# Altium PCB EPS.PcbDoc (part 2 of 10) (continued)
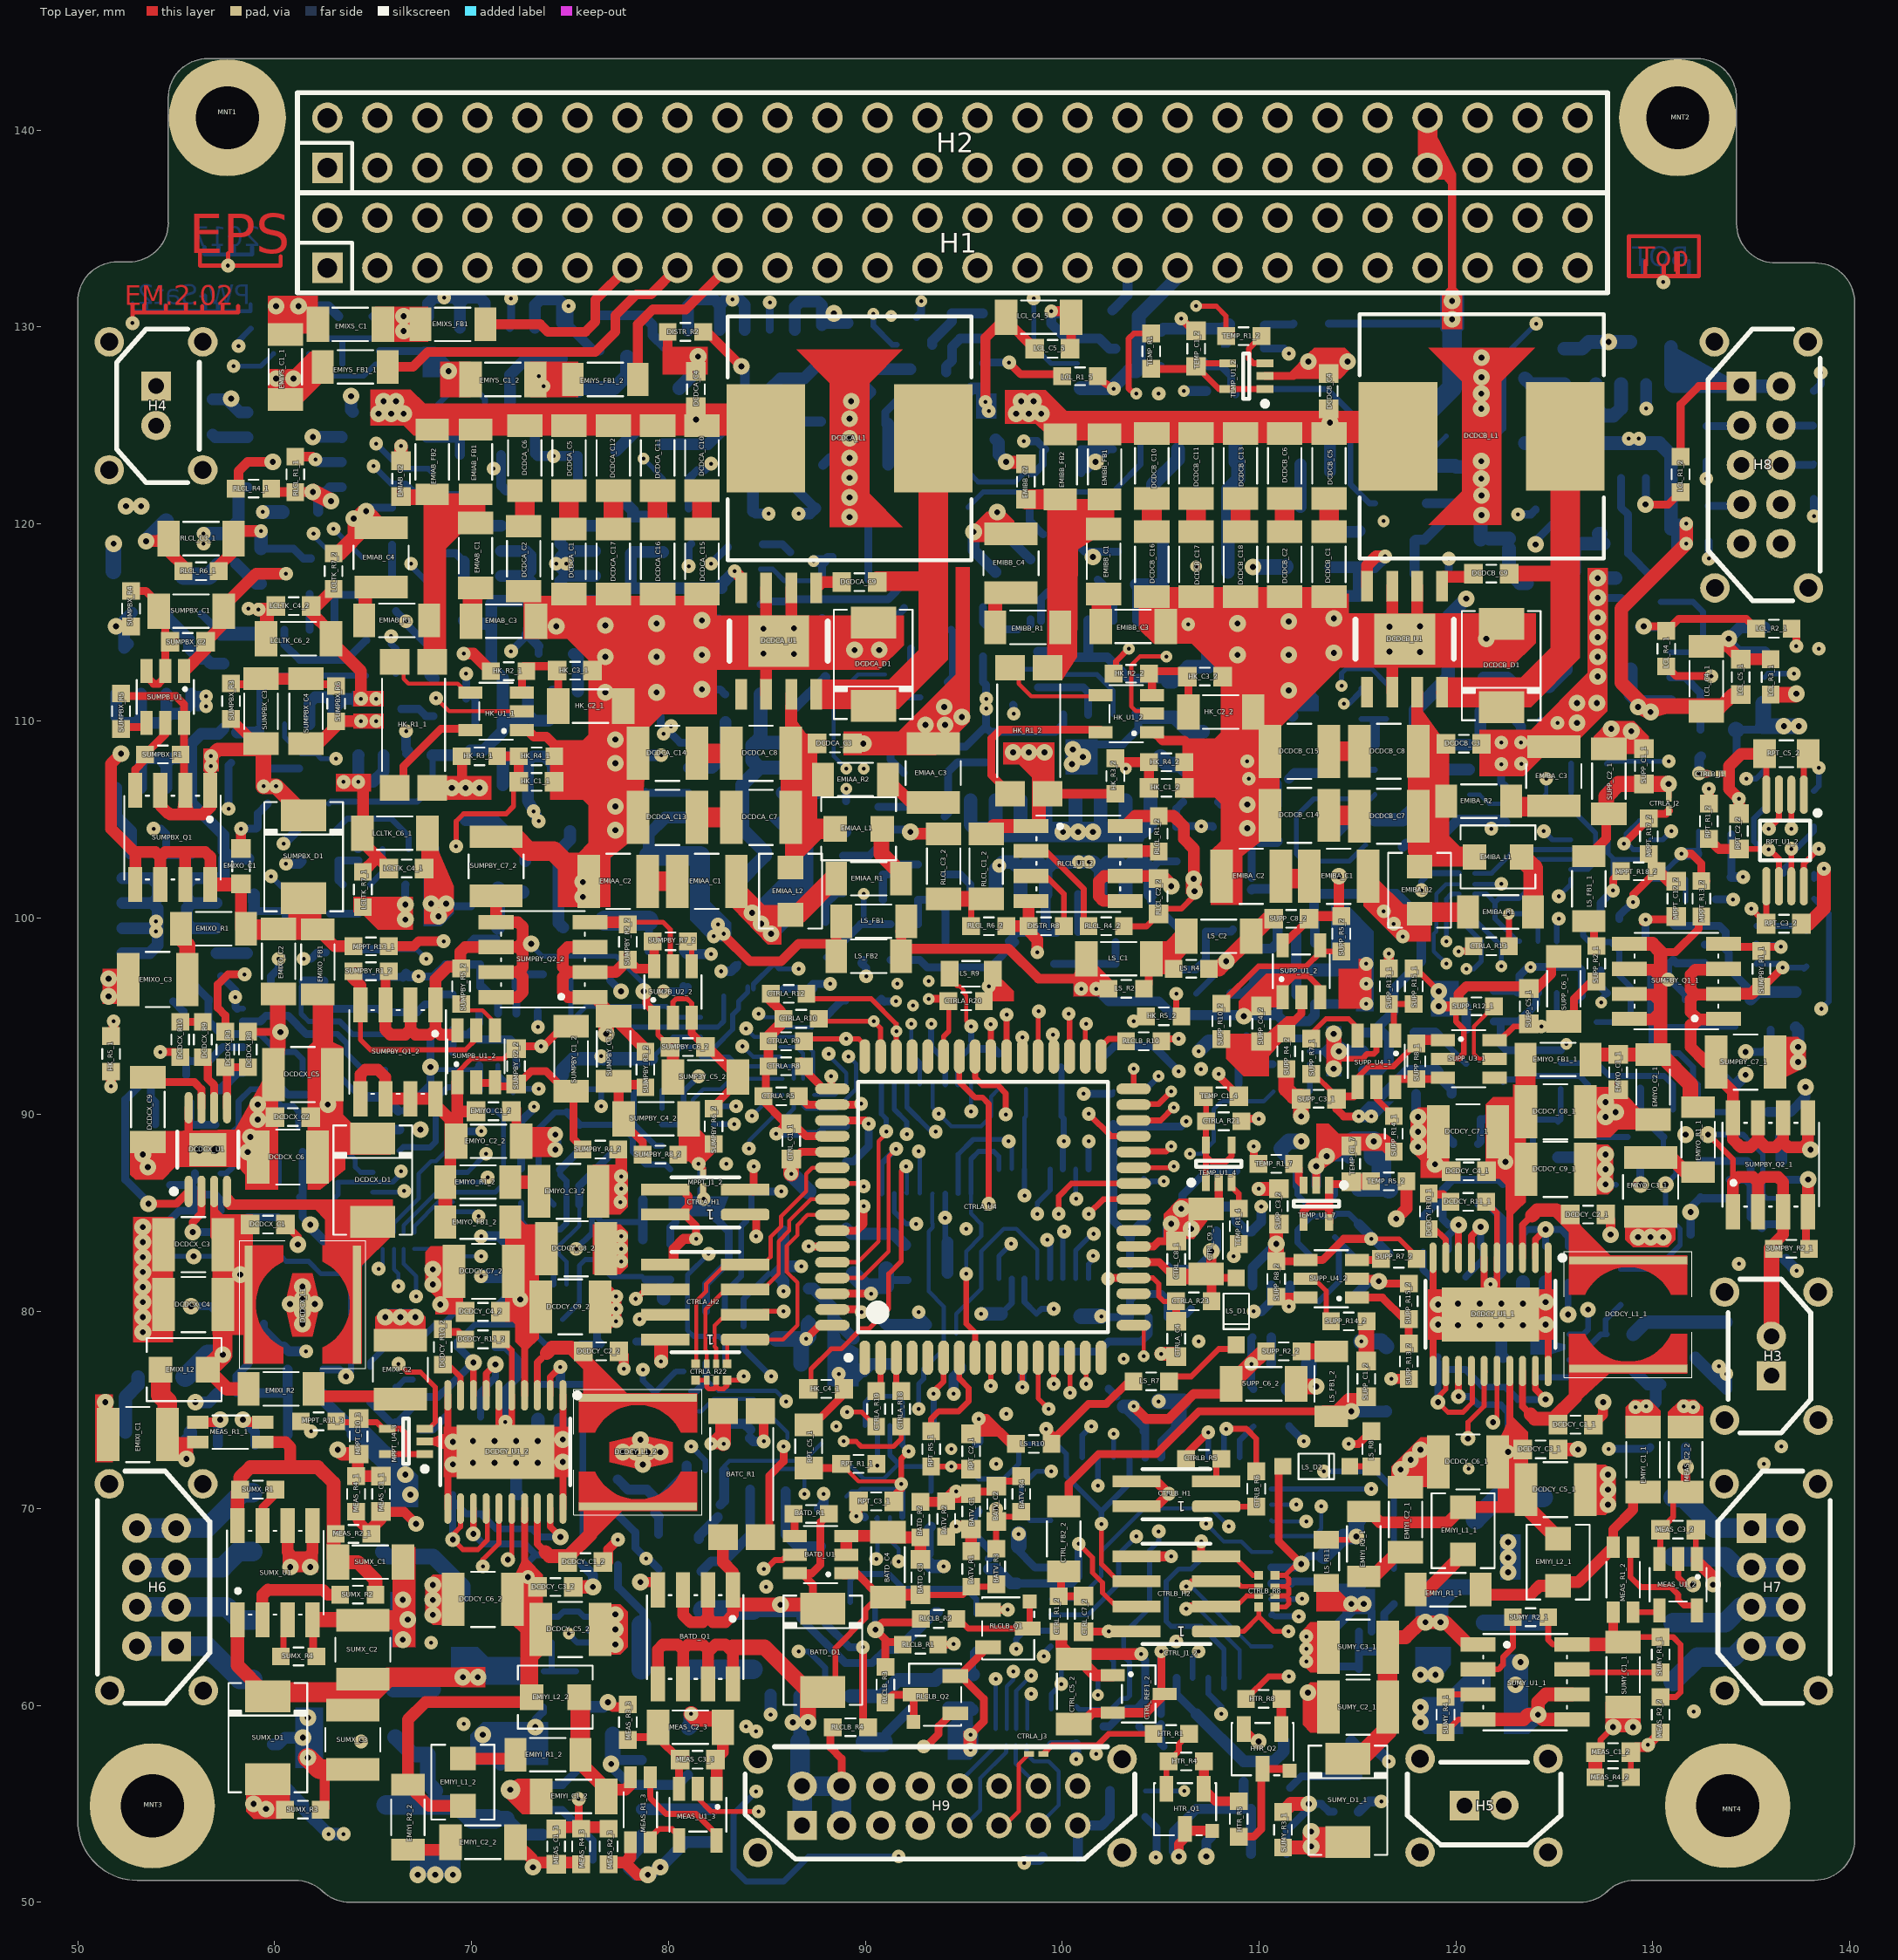
[diagram p0: Top Layer view]
## Components (designator, comment, footprint, x,y, rotation, side; value= is the part's Value field where it differs from the comment) (continued)
LCLTK_C2_2 "1u/25V" SMD_Capacitor_1206 57.531,110.998 r90 bottom (schematic designator LCLTK_C2)
LCLTK_C3_1 "10u/16V" SMD_Capacitor_1206 73.025,99.568 r0 bottom (schematic designator LCLTK_C3)
LCLTK_C3_2 "10u/16V" SMD_Capacitor_1206 53.467,117.602 r180 bottom (schematic designator LCLTK_C3)
LCLTK_C4_1 "100n/50V" SMD_Capacitor_0603 66.7,102.5 r180 top (schematic designator LCLTK_C4)
LCLTK_C4_2 "100n/50V" SMD_Capacitor_0603 60.96,115.824 r0 top (schematic designator LCLTK_C4)
LCLTK_C5_1 "1u/25V" SMD_Capacitor_1206 73.35,104.4 r0 bottom (schematic designator LCLTK_C5)
LCLTK_C5_2 "1u/25V" SMD_Capacitor_1206 54,113.7 r180 bottom (schematic designator LCLTK_C5)
LCLTK_C6_1 "1u/25V" SMD_Capacitor_1206 66.1,104.3 r180 top (schematic designator LCLTK_C6)
LCLTK_C6_2 "1u/25V" SMD_Capacitor_1206 61.214,114.173 r0 top (schematic designator LCLTK_C6)
LCLTK_Q1_1 "IRF7416" SOIC-8-N_SSSGDDDD 73.9,118 r0 bottom (schematic designator LCLTK_Q1)
LCLTK_Q1_2 "IRF7416" SOIC-8-N_SSSGDDDD 54.65,100.1 r180 bottom (schematic designator LCLTK_Q1)
LCLTK_Q2_1 "2N2222ACSM" LCC1-4_BEC 65.659,119.888 r90 bottom (schematic designator LCLTK_Q2)
LCLTK_Q2_2 "2N2222ACSM" LCC1-4_BEC 62.904,99.187 r270 bottom (schematic designator LCLTK_Q2)
LCLTK_Q3_1 "IRF7416" SOIC-8-N_SSSGDDDD 73.5,109.1 r270 bottom (schematic designator LCLTK_Q3)
LCLTK_Q3_2 "IRF7416" SOIC-8-N_SSSGDDDD 53.85,109 r90 bottom (schematic designator LCLTK_Q3)
LCLTK_Q4_1 "2N2222ACSM" LCC1-4_BEC 67.775,111.2 r90 bottom (schematic designator LCLTK_Q4)
LCLTK_Q4_2 "2N2222ACSM" LCC1-4_BEC 60.198,106.68 r270 bottom (schematic designator LCLTK_Q4)
LCLTK_R1_1 "10k/1%" SMD_Resistor_0603 69.596,115.951 r270 bottom (schematic designator LCLTK_R1)
LCLTK_R1_2 "10k/1%" SMD_Resistor_0603 58.801,102.108 r90 bottom (schematic designator LCLTK_R1)
LCLTK_R2_1 "220R/1%" SMD_Resistor_0603 69.6,119 r90 bottom (schematic designator LCLTK_R2)
LCLTK_R2_2 "220R/1%" SMD_Resistor_0603 58.928,99.187 r270 bottom (schematic designator LCLTK_R2)
LCLTK_R3_1 "10k/1%" SMD_Resistor_0603 67.056,116.84 r0 bottom (schematic designator LCLTK_R3)
LCLTK_R3_2 "10k/1%" SMD_Resistor_0603 64.135,99.314 r270 bottom (schematic designator LCLTK_R3)
LCLTK_R4_1 "220k/1%" SMD_Resistor_0603 62.611,105.029 r90 bottom (schematic designator LCLTK_R4)
LCLTK_R4_2 "220k/1%" SMD_Resistor_0603 64.65,113.2 r270 bottom (schematic designator LCLTK_R4)
LCLTK_R5_1 "100k" SMD_Resistor_0603 67.056,115.57 r0 bottom (schematic designator LCLTK_R5)
LCLTK_R5_2 "100k" SMD_Resistor_0603 65.494,99.276 r270 bottom (schematic designator LCLTK_R5)
LCLTK_R6_1 "100k" SMD_Resistor_0603 62.357,101.6 r0 bottom (schematic designator LCLTK_R6)
LCLTK_R6_2 "100k" SMD_Resistor_0603 62.992,117.221 r270 bottom (schematic designator LCLTK_R6)
LCLTK_R7_1 "51R" SMD_Resistor_0603 64.478,101.435 r90 top (schematic designator LCLTK_R7)
LCLTK_R7_2 "51R" SMD_Resistor_0603 62.992,117.602 r270 top (schematic designator LCLTK_R7)
LCLTK_R8_1 "220k/1%" SMD_Resistor_0603 65.748,101.689 r180 bottom (schematic designator LCLTK_R8)
LCLTK_R8_2 "220k/1%" SMD_Resistor_0603 61.595,117.221 r270 bottom (schematic designator LCLTK_R8)
LCLTK_R9_1 "10k/1%" SMD_Resistor_0603 71.9,114.7 r180 bottom (schematic designator LCLTK_R9)
LCLTK_R9_2 "10k/1%" SMD_Resistor_0603 56.515,103.251 r0 bottom (schematic designator LCLTK_R9)
LCLTK_R10_1 "220R/1%" SMD_Resistor_0603 74.422,113.411 r0 bottom (schematic designator LCLTK_R10)
LCLTK_R10_2 "220R/1%" SMD_Resistor_0603 53.594,103.251 r180 bottom (schematic designator LCLTK_R10)
LCLTK_R11_1 "10k/1%" SMD_Resistor_0603 66.421,111.633 r90 bottom (schematic designator LCLTK_R11)
LCLTK_R11_2 "10k/1%" SMD_Resistor_0603 61.341,106.426 r270 bottom (schematic designator LCLTK_R11)
LCLTK_R12_1 "100k" SMD_Resistor_0603 67.056,113.665 r180 bottom (schematic designator LCLTK_R12)
LCLTK_R12_2 "100k" SMD_Resistor_0603 60.071,104.521 r0 bottom (schematic designator LCLTK_R12)
LCLTK_R13_1 "1k" SMD_Resistor_0603 62.3,102.9 r180 bottom (schematic designator LCLTK_R13)
LCLTK_R13_2 "1k" SMD_Resistor_0603 64.45,117.4 r90 bottom (schematic designator LCLTK_R13)
LCLTK_R14_1 "1M" SMD_Resistor_0603 73.495,101.308 r180 bottom (schematic designator LCLTK_R14)
LCLTK_R14_2 "1M" SMD_Resistor_0603 59.309,117.856 r270 bottom (schematic designator LCLTK_R14)
LCLTK_R15_1 "1M" SMD_Resistor_0603 73.622,102.578 r180 bottom (schematic designator LCLTK_R15)
LCLTK_R15_2 "1M" SMD_Resistor_0603 53.65,115.5 r0 bottom (schematic designator LCLTK_R15)
LCLTK_R16_1 "1M" SMD_Resistor_0603 69.85,99.695 r90 bottom (schematic designator LCLTK_R16)
LCLTK_R16_2 "1M" SMD_Resistor_0603 56.261,116.459 r270 bottom (schematic designator LCLTK_R16)
LCLTK_U1_1 "FPF2701MX" SOIC-8-N 66.1,105.9 r90 bottom (schematic designator LCLTK_U1)
LCLTK_U1_2 "FPF2701MX" SOIC-8-N 61.15,112.2 r270 bottom (schematic designator LCLTK_U1)
LS_C1 "10u/16V" SMD_Capacitor_1206 102.87,97.917 r0 top
LS_C2 "10u/16V" SMD_Capacitor_1206 107.95,99.06 r0 top
LS_D1 "1N4148W" SOD-123 108.839,80.01 r90 top
LS_D2 "1N4148W" SOD-123 112.903,72.136 r180 top
LS_FB1 "120R/100MHz" SMD_FerriteBead_1206 90.424,99.822 r0 top
LS_FB1_1 "120R/100MHz" SMD_FerriteBead_1206 126.746,101.473 r90 top (schematic designator LS_FB1)
LS_FB1_2 "120R/100MHz" SMD_FerriteBead_1206 113.665,76.327 r270 top (schematic designator LS_FB1)
LS_FB2 "120R/100MHz" SMD_FerriteBead_1206 90.17,98.044 r0 top
LS_R2 "1M/1%" SMD_Resistor_0603 103.251,96.393 r0 top
LS_R4 "1M/1%" SMD_Resistor_0603 106.553,97.409 r0 top
LS_R7 "100R" SMD_Resistor_0603 104.521,76.454 r180 top
LS_R8 "100R" SMD_Resistor_0603 115.697,73.025 r270 top
LS_R9 "1k" SMD_Resistor_0805 95.377,97.155 r0 top
LS_R10 "10k" SMD_Resistor_0603 98.552,73.279 r0 top
LS_R11 "1k" SMD_Resistor_0805 113.411,67.31 r90 top
MEAS_C1_1 "100n/50V" SMD_Capacitor_0603 65.405,70.739 r90 top (schematic designator MEAS_C1)
MEAS_C1_2 "100n/50V" SMD_Capacitor_0603 127.978,57.62 r180 top (schematic designator MEAS_C1)
MEAS_C1_3 "100n/50V" SMD_Capacitor_0603 74.295,52.832 r270 top (schematic designator MEAS_C1)
MEAS_C2_1 "10u/16V" SMD_Capacitor_1206 62.319,73.749 r0 bottom (schematic designator MEAS_C2)
MEAS_C2_2 "10u/16V" SMD_Capacitor_1206 131.661,72.479 r90 top (schematic designator MEAS_C2)
MEAS_C2_3 "10u/16V" SMD_Capacitor_1206 81.115,58.89 r0 top (schematic designator MEAS_C2)
MEAS_C3_1 "100n/50V" SMD_Capacitor_0603 61.557,75.781 r0 bottom (schematic designator MEAS_C3)
MEAS_C3_2 "100n/50V" SMD_Capacitor_0603 131.28,68.923 r0 top (schematic designator MEAS_C3)
MEAS_C3_3 "100n/50V" SMD_Capacitor_0603 81.485,57.239 r0 top (schematic designator MEAS_C3)
MEAS_R1_1 "0.068R/1%" SMD_Resistor-Shunt_1206 57.747,73.876 r180 top (schematic designator MEAS_R1)
MEAS_R1_2 "0.068R/1%" SMD_Resistor-Shunt_1206 128.486,66.383 r90 top (schematic designator MEAS_R1)
MEAS_R1_3 "0.068R/1%" SMD_Resistor-Shunt_1206 78.575,54.699 r90 top (schematic designator MEAS_R1)
MEAS_R2_1 "4.7k/1%" SMD_Resistor_0603 64.008,68.707 r0 top (schematic designator MEAS_R2)
MEAS_R2_2 "4.7k/1%" SMD_Resistor_0603 130.391,59.525 r270 top (schematic designator MEAS_R2)
MEAS_R2_3 "4.7k/1%" SMD_Resistor_0603 76.962,52.832 r90 top (schematic designator MEAS_R2)
MEAS_R3_1 "3.3k/1%" SMD_Resistor_0603 61.595,76.962 r180 bottom (schematic designator MEAS_R3)
MEAS_R3_2 "3.3k/1%" SMD_Resistor_0603 130.772,73.114 r0 bottom (schematic designator MEAS_R3)
MEAS_R3_3 "3.3k/1%" SMD_Resistor_0603 77.94,59.144 r270 top (schematic designator MEAS_R3)
MEAS_R4_1 "1k/1%" SMD_Resistor_0603 64.135,70.739 r90 top (schematic designator MEAS_R4)
MEAS_R4_2 "1k/1%" SMD_Resistor_0603 127.978,56.35 r180 top (schematic designator MEAS_R4)
MEAS_R4_3 "1k/1%" SMD_Resistor_0603 75.565,52.832 r270 top (schematic designator MEAS_R4)
MEAS_U1_1 "MAX4372F" SOT23-5 58.062,74.551 r270 bottom (schematic designator MEAS_U1)
MEAS_U1_2 "MAX4372F" SOT23-5 131.28,66.129 r270 top (schematic designator MEAS_U1)
MEAS_U1_3 "MAX4372F" SOT23-5 81.496,54.445 r270 top (schematic designator MEAS_U1)
MNT1 "Mounting Hole" PC-104_PcbMntHole_M3#1 57.596,140.628 r0 top locked
MNT2 "Mounting Hole" PC-104_PcbMntHole_M3#1 131.257,140.635 r0 top locked
MNT3 "Mounting Hole" PC-104_PcbMntHole_M3#2 53.786,54.899 r0 top locked
MNT4 "Mounting Hole" PC-104_PcbMntHole_M3#2 133.798,54.906 r0 top locked
MPPT_C1_1 "Cap" SMD_Capacitor_0603 65.659,93.091 r270 bottom value=10n/25V (schematic designator MPPT_C1)
MPPT_C1_2 "Cap" SMD_Capacitor_0603 131.026,92.418 r270 bottom value=10n/25V (schematic designator MPPT_C1)
MPPT_C1_3 "Cap" SMD_Capacitor_0603 76.289,88.227 r0 bottom value=10n/25V (schematic designator MPPT_C1)
MPPT_C2_1 "Cap" SMD_Capacitor_0603 55.753,95.758 r180 bottom value=NC (schematic designator MPPT_C2)
MPPT_C2_2 "Cap" SMD_Capacitor_0603 126.327,88.735 r270 bottom value=NC (schematic designator MPPT_C2)
MPPT_C2_3 "Cap" SMD_Capacitor_0603 79.756,79.502 r270 bottom value=NC (schematic designator MPPT_C2)
MPPT_C3_1 "100n/50V" SMD_Capacitor_0603 65.278,90.043 r90 bottom (schematic designator MPPT_C3)
MPPT_C3_2 "100n/50V" SMD_Capacitor_0603 130.264,87.592 r0 bottom (schematic designator MPPT_C3)
MPPT_C3_3 "100n/50V" SMD_Capacitor_0603 79.502,84.582 r180 bottom (schematic designator MPPT_C3)
MPPT_C4_1 "Cap" SMD_Capacitor_0603 56.642,93.726 r270 bottom value=1n/25V (schematic designator MPPT_C4)
MPPT_C4_2 "Cap" SMD_Capacitor_0603 123.66,90.767 r270 bottom value=1n/25V (schematic designator MPPT_C4)
MPPT_C4_3 "Cap" SMD_Capacitor_0603 75.4,79.591 r0 bottom value=1n/25V (schematic designator MPPT_C4)
MPPT_C5_1 "100n/50V" SMD_Capacitor_0603 64.186,90.043 r270 bottom (schematic designator MPPT_C5)
MPPT_C5_2 "100n/50V" SMD_Capacitor_0603 121.92,95.377 r270 bottom (schematic designator MPPT_C5)
MPPT_C5_3 "100n/50V" SMD_Capacitor_0603 71.628,82.804 r270 bottom (schematic designator MPPT_C5)
MPPT_C6_1 "Cap" SMD_Capacitor_0603 65.405,96.139 r270 bottom value=10n/25V (schematic designator MPPT_C6)
MPPT_C6_2 "Cap" SMD_Capacitor_0603 129.667,98.298 r270 bottom value=10n/25V (schematic designator MPPT_C6)
MPPT_C6_3 "Cap" SMD_Capacitor_0603 80.264,86.487 r90 bottom value=10n/25V (schematic designator MPPT_C6)
MPPT_C7_1 "Cap" SMD_Capacitor_0603 58.293,79.502 r0 bottom value=10n/25V (schematic designator MPPT_C7)
MPPT_C7_2 "Cap" SMD_Capacitor_0603 126.746,106.426 r180 bottom value=10n/25V (schematic designator MPPT_C7)
MPPT_C7_3 "Cap" SMD_Capacitor_0603 87.376,95.504 r270 bottom value=10n/25V (schematic designator MPPT_C7)
MPPT_C8_1 "100n/50V" SMD_Capacitor_0603 63.208,83.782 r270 bottom (schematic designator MPPT_C8)
MPPT_C8_2 "100n/50V" SMD_Capacitor_0603 128.74,105.245 r180 bottom (schematic designator MPPT_C8)
MPPT_C8_3 "100n/50V" SMD_Capacitor_0603 84.963,96.266 r0 bottom (schematic designator MPPT_C8)
MPPT_C9_1 "Cap" SMD_Capacitor_0603 62.103,88.24 r0 bottom value=10n/25V (schematic designator MPPT_C9)
MPPT_C9_2 "Cap" SMD_Capacitor_0603 132.842,101.981 r180 bottom value=10n/25V (schematic designator MPPT_C9)
MPPT_C9_3 "Cap" SMD_Capacitor_0603 75.057,93.853 r90 bottom value=10n/25V (schematic designator MPPT_C9)
MPPT_C10_1 "100n/50V" SMD_Capacitor_0603 54.699,87.338 r90 bottom (schematic designator MPPT_C10)
MPPT_C10_2 "100n/50V" SMD_Capacitor_0603 124.295,77.559 r90 bottom (schematic designator MPPT_C10)
MPPT_C10_3 "100n/50V" SMD_Capacitor_0603 64.262,73.66 r270 top (schematic designator MPPT_C10)
MPPT_C11_1 "Cap" SMD_Capacitor_0603 62.23,86.995 r0 bottom value=10n/25V (schematic designator MPPT_C11)
MPPT_C11_2 "Cap" SMD_Capacitor_0603 133.223,103.251 r180 bottom value=10n/25V (schematic designator MPPT_C11)
MPPT_C11_3 "Cap" SMD_Capacitor_0603 79.121,93.726 r90 bottom value=10n/25V (schematic designator MPPT_C11)
MPPT_C12_1 "Cap" SMD_Capacitor_0603 71.336,96.482 r0 bottom value=100n/50V (schematic designator MPPT_C12)
MPPT_C12_2 "Cap" SMD_Capacitor_0603 131.191,100.965 r90 top value=100n/50V (schematic designator MPPT_C12)
MPPT_C12_3 "Cap" SMD_Capacitor_0603 83.312,84.963 r0 bottom value=100n/50V (schematic designator MPPT_C12)
MPPT_J1_1 "2 way net tie junction" 2way_LP 128.575,86.436 r0 bottom net-tie (schematic designator MPPT_J1)
MPPT_J1_2 "2 way net tie junction" 2way_LP 81.763,86.614 r270 top net-tie (schematic designator MPPT_J1)
MPPT_J1_3 "2 way net tie junction" 2way_LP 81.61,86.563 r270 bottom net-tie (schematic designator MPPT_J1)
MPPT_R1_1 "47k/1%" SMD_Resistor_0603 60.579,96.774 r180 bottom (schematic designator MPPT_R1)
MPPT_R1_2 "47k/1%" SMD_Resistor_0603 134.963,90.132 r0 bottom (schematic designator MPPT_R1)
MPPT_R1_3 "47k/1%" SMD_Resistor_0603 72.517,86.36 r90 bottom (schematic designator MPPT_R1)
MPPT_R2_1 "220k/1%" SMD_Resistor_0603 64.478,93.18 r90 bottom (schematic designator MPPT_R2)
MPPT_R2_2 "220k/1%" SMD_Resistor_0603 131.915,90.259 r0 bottom (schematic designator MPPT_R2)
MPPT_R2_3 "220k/1%" SMD_Resistor_0603 75.4,86.957 r180 bottom (schematic designator MPPT_R2)
MPPT_R3_1 "13k/1%" SMD_Resistor_0603 63.373,96.774 r180 bottom (schematic designator MPPT_R3)
MPPT_R3_2 "13k/1%" SMD_Resistor_0603 133.185,91.402 r180 bottom (schematic designator MPPT_R3)
MPPT_R3_3 "13k/1%" SMD_Resistor_0603 72.898,82.677 r90 bottom (schematic designator MPPT_R3)
MPPT_R4_1 "NC" SMD_Resistor_0603 55.372,93.726 r90 bottom (schematic designator MPPT_R4)
MPPT_R4_2 "NC" SMD_Resistor_0603 125.057,88.735 r270 bottom (schematic designator MPPT_R4)
MPPT_R4_3 "NC" SMD_Resistor_0603 77.47,78.359 r0 bottom (schematic designator MPPT_R4)
MPPT_R5_1 "4.7k/1%" SMD_Resistor_0603 69.05,95.212 r270 bottom (schematic designator MPPT_R5)
MPPT_R5_2 "4.7k/1%" SMD_Resistor_0603 129.159,94.615 r180 bottom (schematic designator MPPT_R5)
MPPT_R5_3 "4.7k/1%" SMD_Resistor_0603 75.781,90.386 r90 bottom (schematic designator MPPT_R5)
MPPT_R6_1 "680k/1%" SMD_Resistor_0603 67.907,94.704 r270 bottom (schematic designator MPPT_R6)
MPPT_R6_2 "680k/1%" SMD_Resistor_0603 135.09,94.323 r0 bottom (schematic designator MPPT_R6)
MPPT_R6_3 "680k/1%" SMD_Resistor_0603 78.829,86.576 r270 bottom (schematic designator MPPT_R6)
MPPT_R7_1 "330k/1%" SMD_Resistor_0603 66.548,96.139 r270 bottom (schematic designator MPPT_R7)
MPPT_R7_2 "330k/1%" SMD_Resistor_0603 132.931,93.561 r90 bottom (schematic designator MPPT_R7)
MPPT_R7_3 "330k/1%" SMD_Resistor_0603 74.549,91.186 r270 bottom (schematic designator MPPT_R7)
MPPT_R8_1 "680k/1%" SMD_Resistor_0603 62.319,92.037 r0 bottom (schematic designator MPPT_R8)
MPPT_R8_2 "680k/1%" SMD_Resistor_0603 129.629,88.862 r0 bottom (schematic designator MPPT_R8)
MPPT_R8_3 "680k/1%" SMD_Resistor_0603 78.74,82.55 r90 bottom (schematic designator MPPT_R8)
MPPT_R9_1 "330k/1%" SMD_Resistor_0603 56.388,97.028 r180 bottom (schematic designator MPPT_R9)
MPPT_R9_2 "330k/1%" SMD_Resistor_0603 122.39,92.545 r270 bottom (schematic designator MPPT_R9)
MPPT_R9_3 "330k/1%" SMD_Resistor_0603 80.01,82.55 r270 bottom (schematic designator MPPT_R9)
MPPT_R10_1 "1k/1%" SMD_Resistor_0603 59.563,78.105 r180 bottom (schematic designator MPPT_R10)
MPPT_R10_2 "1k/1%" SMD_Resistor_0603 126.746,107.823 r0 bottom (schematic designator MPPT_R10)
MPPT_R10_3 "1k/1%" SMD_Resistor_0603 89.916,95.758 r0 bottom (schematic designator MPPT_R10)
MPPT_R11_1 "2.2k/1%" SMD_Resistor_0603 54.572,83.401 r90 bottom (schematic designator MPPT_R11)
MPPT_R11_2 "2.2k/1%" SMD_Resistor_0603 128.359,81.242 r270 bottom (schematic designator MPPT_R11)
MPPT_R11_3 "2.2k/1%" SMD_Resistor_0603 62.23,74.422 r0 top (schematic designator MPPT_R11)
MPPT_R12_1 "1k/1%" SMD_Resistor_0603 62.103,89.408 r180 bottom (schematic designator MPPT_R12)
MPPT_R12_2 "1k/1%" SMD_Resistor_0603 132.334,100.787 r0 bottom (schematic designator MPPT_R12)
MPPT_R12_3 "1k/1%" SMD_Resistor_0603 75.946,96.901 r0 bottom (schematic designator MPPT_R12)
MPPT_R13_1 "4.7k/1%" SMD_Resistor_0603 64.897,98.552 r180 top (schematic designator MPPT_R13)
MPPT_R13_2 "4.7k/1%" SMD_Resistor_0603 132.461,100.965 r270 top (schematic designator MPPT_R13)
MPPT_R13_3 "4.7k/1%" SMD_Resistor_0603 81.788,96.266 r180 bottom (schematic designator MPPT_R13)
MPPT_R14_1 "1k/1%" SMD_Resistor_0603 62.23,85.852 r0 bottom (schematic designator MPPT_R14)
MPPT_R14_2 "1k/1%" SMD_Resistor_0603 133.223,104.394 r180 bottom (schematic designator MPPT_R14)
MPPT_R14_3 "1k/1%" SMD_Resistor_0603 77.978,93.726 r90 bottom (schematic designator MPPT_R14)
MPPT_R15_1 "5.6k/1%" SMD_Resistor_0603 69.05,92.291 r270 bottom (schematic designator MPPT_R15)
MPPT_R15_2 "5.6k/1%" SMD_Resistor_0603 126.238,94.615 r180 bottom (schematic designator MPPT_R15)
MPPT_R15_3 "5.6k/1%" SMD_Resistor_0603 77.862,91.567 r0 bottom (schematic designator MPPT_R15)
MPPT_R16_1 "4.7k/1%" SMD_Resistor_0603 71.272,91.161 r0 bottom (schematic designator MPPT_R16)
MPPT_R16_2 "4.7k/1%" SMD_Resistor_0603 127.051,95.885 r0 bottom (schematic designator MPPT_R16)
MPPT_R16_3 "4.7k/1%" SMD_Resistor_0603 80.264,75.946 r0 bottom (schematic designator MPPT_R16)
MPPT_R17_1 "22k/1%" SMD_Resistor_0603 73.533,96.139 r90 bottom (schematic designator MPPT_R17)
MPPT_R17_2 "22k/1%" SMD_Resistor_0603 129.794,104.14 r270 top (schematic designator MPPT_R17)
MPPT_R17_3 "22k/1%" SMD_Resistor_0603 84.455,97.663 r180 bottom (schematic designator MPPT_R17)
MPPT_R18_1 "11k/1%" SMD_Resistor_0603 71.374,97.536 r180 bottom (schematic designator MPPT_R18)
MPPT_R18_2 "11k/1%" SMD_Resistor_0603 129.286,102.362 r180 top (schematic designator MPPT_R18)
MPPT_R18_3 "11k/1%" SMD_Resistor_0603 83.566,86.106 r180 bottom (schematic designator MPPT_R18)
MPPT_U1_1 "LTC6078" MSOP-8 60.407,94.409 r0 bottom (schematic designator MPPT_U1)
MPPT_U1_2 "LTC6078" MSOP-8 127.343,92.291 r0 bottom (schematic designator MPPT_U1)
MPPT_U1_3 "LTC6078" MSOP-8 75.146,83.401 r90 bottom (schematic designator MPPT_U1)
MPPT_U2_1 "DAC121S101" SOT23-6 67.907,89.243 r0 bottom (schematic designator MPPT_U2)
MPPT_U2_2 "DAC121S101" SOT23-6 124.079,97.498 r90 bottom (schematic designator MPPT_U2)
MPPT_U2_3 "DAC121S101" SOT23-6 80.988,89.497 r0 bottom (schematic designator MPPT_U2)
MPPT_U3_1 "ADC124S021CIMM" MUB10A_L 67.018,86.068 r0 bottom (schematic designator MPPT_U3)
MPPT_U3_2 "ADC124S021CIMM" MUB10A_L 127.851,102.959 r180 bottom (schematic designator MPPT_U3)
MPPT_U3_3 "ADC124S021CIMM" MUB10A_L 83.655,93.942 r0 bottom (schematic designator MPPT_U3)
MPPT_U4_1 "LMT87" SC70-LT5_N 56.604,86.068 r270 bottom (schematic designator MPPT_U4)
MPPT_U4_2 "LMT87" SC70-LT5_N 126.708,78.194 r0 bottom (schematic designator MPPT_U4)
MPPT_U4_3 "LMT87" SC70-LT5_N 66.675,73.406 r180 top (schematic designator MPPT_U4)
MPPT_U5_1 "Value" SOT23-6 71.336,93.815 r270 bottom (schematic designator MPPT_U5)
MPPT_U5_2 "Value" SOT23-6 127.343,98.641 r270 bottom (schematic designator MPPT_U5)
MPPT_U5_3 "Value" SOT23-6 81.915,78.702 r270 bottom (schematic designator MPPT_U5)
RBL_C1 "10u/16V" SMD_Capacitor_1206 95.758,98.933 r180 bottom
RBL_C2 "100n/50V" SMD_Capacitor_0603 89.789,98.806 r270 bottom
RBL_C3 "10u/16V" SMD_Capacitor_1206 104.356,99.022 r180 bottom
RBL_C4 "100n/50V" SMD_Capacitor_0603 106.934,105.791 r0 bottom
RBL_Q1 "IRF7416" SOIC-8-N_SSSGDDDD 97.244,103.594 r90 bottom
RBL_Q2 "2N2222ACSM" LCC1-4_BEC 88.353,102.235 r90 bottom
RBL_Q3 "IRF7416" SOIC-8-N_SSSGDDDD 102.578,103.594 r90 bottom
RBL_Q4 "2N2222ACSM" LCC1-4_BEC 108.674,101.728 r0 bottom
RBL_R1 "10k/1%" SMD_Resistor_0603 92.456,98.806 r90 bottom
RBL_R2 "220R" SMD_Resistor_0603 94.069,101.308 r270 bottom
RBL_R3 "22k/1%" SMD_Resistor_0603 91.186,98.806 r90 bottom
RBL_R4 "4.7k/1%" SMD_Resistor_0603 92.672,101.816 r90 bottom
RBL_R5 "10k/1%" SMD_Resistor_0603 87.973,98.895 r90 bottom
RBL_R6 "22k/1%" SMD_Resistor_0603 99.695,98.425 r270 bottom
RBL_R7 "220R" SMD_Resistor_0603 100.965,98.425 r270 bottom
RBL_R8 "22k/1%" SMD_Resistor_0603 105.664,103.759 r90 bottom
RBL_R9 "10k/1%" SMD_Resistor_0603 103.759,97.409 r0 bottom
RBL_R10 "10k/1%" SMD_Resistor_0603 107.823,103.632 r270 bottom
RLCL_C1_1 "10u/16V" SMD_Capacitor_1206 56.261,120.015 r180 bottom (schematic designator RLCL_C1)
RLCL_C1_2 "10u/16V" SMD_Capacitor_1206 96.139,102.616 r270 top (schematic designator RLCL_C1)
RLCL_C2_1 "100n/50V" SMD_Capacitor_0603 61.214,120.65 r180 bottom (schematic designator RLCL_C2)
RLCL_C2_2 "100n/50V" SMD_Capacitor_0603 104.902,101.092 r90 top (schematic designator RLCL_C2)
RLCL_C3_1 "10u/16V" SMD_Capacitor_1206 56.261,119.253 r0 top (schematic designator RLCL_C3)
RLCL_C3_2 "10u/16V" SMD_Capacitor_1206 93.98,102.616 r90 top (schematic designator RLCL_C3)
RLCL_R1_1 "220k/1%" SMD_Resistor_0603 61.049,122.517 r270 top (schematic designator RLCL_R1)
RLCL_R1_2 "220k/1%" SMD_Resistor_0603 104.902,104.267 r90 top (schematic designator RLCL_R1)
RLCL_R4_1 "220k/1%" SMD_Resistor_0603 58.928,121.793 r0 top (schematic designator RLCL_R4)
RLCL_R4_2 "220k/1%" SMD_Resistor_0603 102.235,99.568 r0 top (schematic designator RLCL_R4)
RLCL_R6_1 "1M" SMD_Resistor_0603 56.261,117.602 r180 top (schematic designator RLCL_R6)
RLCL_R6_2 "1M" SMD_Resistor_0603 96.266,99.568 r180 top (schematic designator RLCL_R6)
RLCL_U1_1 "FPF2700MX" SOIC-8-N 61.049,123.787 r0 bottom (schematic designator RLCL_U1)
RLCL_U1_2 "FPF2700MX" SOIC-8-N 100.838,102.743 r0 top (schematic designator RLCL_U1)
RLCLB_C1 "10u/25V" SMD_Capacitor_1210 80.226,64.097 r180 bottom
RLCLB_C2 "10u/25V" SMD_Capacitor_1210 84.036,63.335 r270 bottom
RLCLB_C3 "1u/25V" SMD_Capacitor_1206 93.688,63.081 r270 bottom
RLCLB_C4 "100n/50V" SMD_Capacitor_0603 91.91,62.192 r270 bottom
RLCLB_C5 "1u/25V" SMD_Capacitor_1206 87.973,57.747 r0 bottom
RLCLB_C6 "10u/25V" SMD_Capacitor_1210 78.067,60.287 r270 bottom
RLCLB_C7 "10u/25V" SMD_Capacitor_1210 81.115,60.287 r270 bottom
RLCLB_C8 "1u/25V" SMD_Capacitor_1206 92.545,58.128 r0 bottom
RLCLB_Q1 "2N2222ACSM" LCC1-4_BEC 95.928,63.904 r270 top
RLCLB_Q2 "2N2222ACSM" LCC1-4_BEC 94.87,60.541 r90 top
RLCLB_R1 "10k/1%" SMD_Resistor_0603 92.799,63.081 r0 top
RLCLB_R2 "220R/1%" SMD_Resistor_0603 93.726,64.389 r0 top
RLCLB_R3 "220R/1%" SMD_Resistor_0603 91.021,61.049 r270 top
RLCLB_R4 "470k/1%" SMD_Resistor_0603 89.243,58.89 r180 top
RLCLB_R6 "150k/1%" SMD_Resistor_0603 95.631,63.754 r270 bottom
RLCLB_R8 "51R" SMD_Resistor_0603 95.466,60.668 r270 bottom
RLCLB_R9 "22k/1%" SMD_Resistor_0603 110.617,74.168 r0 bottom
RLCLB_R10 "22k/1%" SMD_Resistor_0603 104.14,93.726 r0 top
RLCLB_R11 "470k" SMD_Resistor_0603 76.67,67.145 r180 bottom
RLCLB_R12 "470k" SMD_Resistor_0603 84.29,60.414 r0 bottom
RLCLB_R13 "470k" SMD_Resistor_0603 93.307,59.906 r0 bottom
RLCLB_U1 "FPF2700MX" SOIC-8-N 88.608,62.827 r270 bottom
RPT_C1_1 "10p/50V" SMD_Capacitor_0603 93.345,69.977 r270 bottom (schematic designator RPT_C1)
RPT_C1_2 "10p/50V" SMD_Capacitor_0603 137.287,102.235 r0 bottom (schematic designator RPT_C1)
RPT_C2_1 "10p/50V" SMD_Capacitor_0603 95.377,72.898 r90 top (schematic designator RPT_C2)
RPT_C2_2 "10p/50V" SMD_Capacitor_0603 134.366,104.394 r90 top (schematic designator RPT_C2)
RPT_C3_1 "100n/50V" SMD_Capacitor_0603 90.551,70.358 r0 top (schematic designator RPT_C3)
RPT_C3_2 "100n/50V" SMD_Capacitor_0603 136.652,99.695 r180 top (schematic designator RPT_C3)
RPT_C5_1 "Cap" SMD_Capacitor_0805 87.122,73.152 r90 top value=470n/16V (schematic designator RPT_C5)
RPT_C5_2 "Cap" SMD_Capacitor_0805 136.779,108.331 r180 top value=470n/16V (schematic designator RPT_C5)
RPT_R1_1 "4.7k/1%" SMD_Resistor_0603 89.662,72.263 r0 top (schematic designator RPT_R1)
RPT_R1_2 "4.7k/1%" SMD_Resistor_0603 132.842,104.902 r270 top (schematic designator RPT_R1)
RPT_R2_1 "4.7k/1%" SMD_Resistor_0603 89.027,71.501 r90 bottom (schematic designator RPT_R2)
RPT_R2_2 "4.7k/1%" SMD_Resistor_0603 138.176,105.537 r270 bottom (schematic designator RPT_R2)
RPT_R3_1 "100R/1%" SMD_Resistor_0603 93.345,73.025 r90 bottom (schematic designator RPT_R3)
RPT_R3_2 "100R/1%" SMD_Resistor_0603 137.287,100.965 r0 bottom (schematic designator RPT_R3)
RPT_R4_1 "100R/1%" SMD_Resistor_0603 138.405,125.857 r270 bottom (schematic designator RPT_R4)
RPT_R4_2 "100R/1%" SMD_Resistor_0603 138.176,122.174 r90 bottom (schematic designator RPT_R4)
RPT_R5_1 "100R/1%" SMD_Resistor_0603 93.345,73.025 r90 top (schematic designator RPT_R5)
RPT_R5_2 "100R/1%" SMD_Resistor_0603 135.763,106.68 r90 bottom (schematic designator RPT_R5)
RPT_R6_1 "100R/1%" SMD_Resistor_0603 132.715,124.079 r90 bottom (schematic designator RPT_R6)
RPT_R6_2 "100R/1%" SMD_Resistor_0603 132.842,120.015 r90 bottom (schematic designator RPT_R6)
RPT_U1_1 "PCA9517" TSSOP8_L 89.662,71.882 r90 bottom (schematic designator RPT_U1)
RPT_U1_2 "PCA9517" TSSOP8_L 135.445,103.925 r270 top (schematic designator RPT_U1)
SEL_C1 "Cap" SMD_Capacitor_0603 78.702,110.198 r180 bottom value=100n/50V
SEL_C2 "100n/50V" SMD_Capacitor_0603 100.038,123.787 r0 bottom
SEL_C3 "100n/50V" SMD_Capacitor_0603 89.243,118.326 r0 bottom
SEL_C4 "10u/16V" SMD_Capacitor_1206 98.387,116.548 r270 bottom
SEL_C5 "10u/16V" SMD_Capacitor_1206 88.392,110.49 r0 bottom
SEL_C6 "10u/16V" SMD_Capacitor_1206 102.832,120.231 r90 bottom
SEL_C7 "10u/16V" SMD_Capacitor_1206 94.958,117.564 r180 bottom
SEL_D1 "BAT165" SOD323 104.521,125.476 r180 bottom
SEL_D2 "BAT165" SOD323 86.195,117.31 r270 bottom
SEL_D3 "BAT165" SOD323 95.974,114.516 r90 bottom
SEL_D4 "BAT165" SOD323 92.799,109.944 r90 bottom
SEL_D5 "BAT165" SOD323 100.292,118.199 r90 bottom
SEL_D6 "BAT165" SOD323 91.313,109.855 r270 bottom
SEL_Q1 "2N2222ACSM" LCC1-4_BEC 92.025,114.621 r90 bottom
SEL_Q2 "2N2222ACSM" LCC1-4_BEC 91.744,106.515 r90 bottom
SEL_R1 "100k/1%" SMD_Resistor_0603 81.026,119.888 r90 bottom
SEL_R2 "22k/1%" SMD_Resistor_0603 95.212,111.976 r0 bottom
SEL_R3 "22k/1%" SMD_Resistor_0603 96.101,108.674 r90 bottom
SEL_R4 "22k/1%" SMD_Resistor_0603 91.91,112.357 r0 bottom
SEL_R5 "22k/1%" SMD_Resistor_0603 89.751,105.753 r0 bottom
SEL_R6 "4.7k" SMD_Resistor_0603 107.315,125.857 r90 bottom
SEL_R7 "4.7k" SMD_Resistor_0603 83.909,119.088 r180 bottom
SEL_R8 "470R" SMD_Resistor_0603 98.133,119.469 r180 bottom
SEL_R9 "470R" SMD_Resistor_0603 87.884,113.284 r270 bottom
SEL_R10 "47k" SMD_Resistor_0603 95.212,121.755 r90 bottom
SEL_R11 "47k" SMD_Resistor_0603 84.671,116.802 r90 bottom
SEL_U1 "NC7SZ14" SOT23-5 99.657,121.628 r180 bottom
SEL_U2 "NC7SZ14" SOT23-5 89.116,116.167 r180 bottom
SUMPB_U1 "LTC4412" SOT23-6 54.445,111.214 r270 top
SUMPB_U1_1 "LTC4412" SOT23-6 133.947,98.641 r0 bottom (schematic designator SUMPB_U1)
SUMPB_U1_2 "LTC4412" SOT23-6 70.231,92.964 r90 top (schematic designator SUMPB_U1)
SUMPB_U2_1 "LTC4412" SOT23-6 135.217,86.703 r0 bottom (schematic designator SUMPB_U2)
SUMPB_U2_2 "LTC4412" SOT23-6 80.226,96.228 r90 top (schematic designator SUMPB_U2)
SUMPBX_C1 "1u/25V" SMD_Capacitor_1206 55.753,115.57 r180 top
SUMPBX_C2 "100n/50V" SMD_Capacitor_0603 55.588,114.008 r180 top
SUMPBX_C3 "10u/16V" SMD_Capacitor_1206 59.309,110.49 r90 top
SUMPBX_C4 "10u/16V" SMD_Capacitor_1206 61.595,110.49 r270 top
SUMPBX_D1 "STPS340U" DO-214AA 61.468,103.124 r270 top
SUMPBX_Q1 "IRF7416" SOIC-8-N_SSSGDDDD 54.821,104.069 r270 top
SUMPBX_R1 "100k/1%" SMD_Resistor_0603 54.318,108.293 r180 top
SUMPBX_R3 "1M/1%" SMD_Resistor_0603 57.785,110.998 r90 top
SUMPBX_R4 "1k/1%" SMD_Resistor_0603 52.705,115.697 r270 top
SUMPBX_R5 "470k/1%" SMD_Resistor_0603 52.197,110.49 r270 top
SUMPBX_R6 "1M/1%" SMD_Resistor_0603 63.119,110.871 r270 top
SUMPBY_C1_1 "1u/25V" SMD_Capacitor_1206 133.35,96.139 r0 bottom (schematic designator SUMPBY_C1)
SUMPBY_C1_2 "1u/25V" SMD_Capacitor_1206 75.057,92.837 r270 top (schematic designator SUMPBY_C1)
SUMPBY_C2_1 "100n/50V" SMD_Capacitor_0603 131.064,98.679 r90 bottom (schematic designator SUMPBY_C2)
SUMPBY_C2_2 "100n/50V" SMD_Capacitor_0603 72.263,92.456 r270 top (schematic designator SUMPBY_C2)
SUMPBY_C3_1 "10u/16V" SMD_Capacitor_1206 133.731,77.724 r90 bottom (schematic designator SUMPBY_C3)
SUMPBY_C3_2 "10u/16V" SMD_Capacitor_1206 77.216,93.345 r270 top (schematic designator SUMPBY_C3)
SUMPBY_C4_1 "10u/16V" SMD_Capacitor_1206 130.645,78.067 r270 bottom (schematic designator SUMPBY_C4)
SUMPBY_C4_2 "10u/16V" SMD_Capacitor_1206 79.375,89.789 r0 top (schematic designator SUMPBY_C4)
SUMPBY_C5_1 "1u/25V" SMD_Capacitor_1206 133.947,83.909 r0 bottom (schematic designator SUMPBY_C5)
SUMPBY_C5_2 "1u/25V" SMD_Capacitor_1206 81.877,91.91 r0 top (schematic designator SUMPBY_C5)
SUMPBY_C6_1 "100n/50V" SMD_Capacitor_0603 132.423,86.703 r90 bottom (schematic designator SUMPBY_C6)
SUMPBY_C6_2 "100n/50V" SMD_Capacitor_0603 80.988,93.434 r0 top (schematic designator SUMPBY_C6)
SUMPBY_C7_1 "10u/25V" SMD_Capacitor_1210 134.709,92.672 r0 top (schematic designator SUMPBY_C7)